# KiCad board PC110.kicad_pcb (continued)
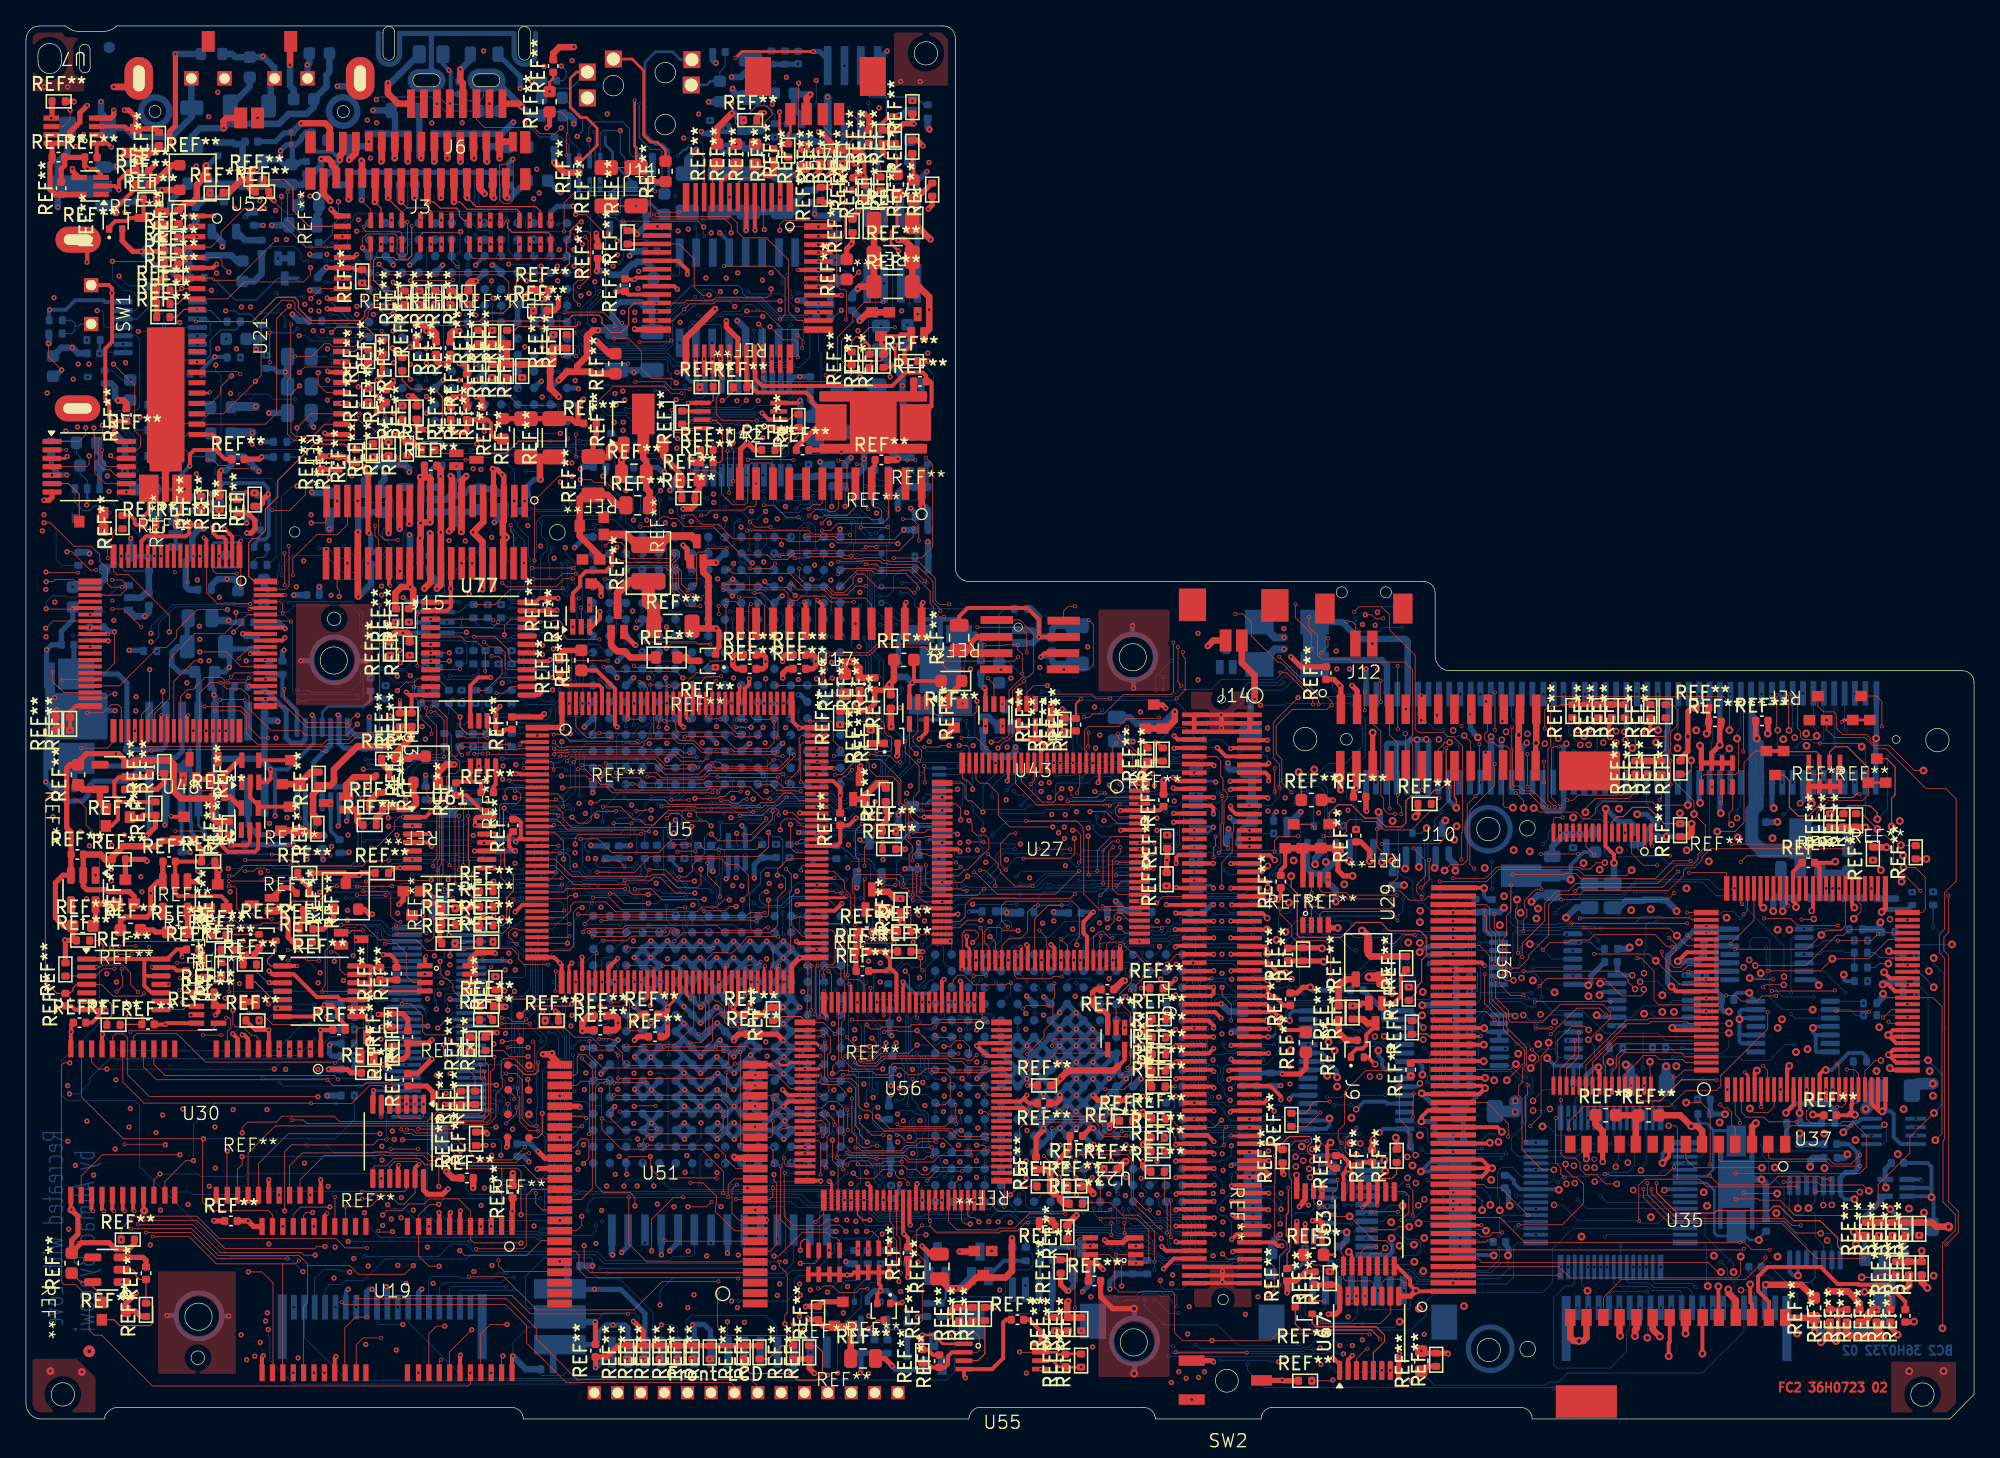
[diagram p0: board, top side]
## Routing (per net, layer and track width the routed paths; a pad name or vN(x,y) marks a point on that pad's centre or on a via; arc(x,y) is an arc through that point) (continued)
  FC1 w0.05: v2(15.42,30.92) 15.42,32.35 v1(15.34,32.43)
  IC4 w0.05: v1(23.24,80.06) 23.18,80.12 20.82,80.12 20.33,79.63 20.33,75.42 22.87,72.88 22.87,65.56 21.57,64.26 21.57,56.81 23.21,55.17 23.21,43.18 23.21,45 22.21,44 22.21,40.96 22.11,40.86 22.11,40.39 22.26,40.24 v1(22.26,39.27)
  BC1 w0.05: v11(46.79,34.1) 46.43,34.1 46.24,34.29 44.94,34.29 44.5,34.73 44.5,37.87 44.74,38.11 44.74,40.39 v11(44.03,41.1) ; v11(26.87,32.64) 25.64,32.64 v11(25.56,32.72) ; v11(49.48,28.98) 48.88,28.98 47.48,30.38 47.48,32.33 v11(46.81,33) ; v11(59.82,28) 59.37,28.45 49.88,28.45 v11(49.5,28.07) ; v11(26,80.02) 26,80.4 26.1,80.5 30.07,80.5 30.2,80.37 31.19,80.37 31.46,80.64 31.46,81.6 32.45,82.59 v11(34.03,82.59) 35.05,82.59 35.65,81.99 35.65,79.71 36.48,78.88 36.48,75.49 37.7,74.27 38.66,74.27 39.2,73.73 39.2,71.32 39.68,70.84 42.08,70.84 42.46,70.46 v11(42.46,69.33)
  BC2 w0.05: 23.21,32.93 23.21,37.7 22.26,38.65 v1(22.26,39.27) 22.7,39.27 22.99,39.56 22.99,40.15 23.45,40.61 34.08,40.61 34.74,39.95 35.5,39.95 36.16,40.61 41.45,40.61 41.53,40.69 41.53,41.1 41.85,41.42 42.72,41.42 42.85,41.29 43.84,41.29 v11(44.03,41.1) ; 23.21,32.93 15.84,32.93 v1(15.34,32.43) ; 23.21,32.93 23.21,32.74 23.23,32.72 v11(25.56,32.72) ; v11(49.5,28.07) 49.48,28.09 v11(49.48,28.98) ; v11(34.03,82.59) 34.06,82.56 U23.G9 ; v1(23.24,80.06) 25.96,80.06 v11(26,80.02) ; v11(46.81,33) 46.79,33.02 v11(46.79,34.1) ; 46.2,67.99 46.2,68.46 45.32,69.33 v11(42.46,69.33) ; v11(26.87,32.64) 26.87,33.54 27.11,33.78 29.38,33.78
  BC2 w0.2: v11(59.82,28) 59.82,28.21 U1.P9
RAM_IOU8: length 156.4
  FC2 w0.05: U30.35 15.48,17.27 15.48,20.62 v1(15.51,20.65)
  IC1 w0.05: v1(33.44,20.64) 31.58,20.64 31.15,20.21 28.87,20.21 28.13,19.47 27.05,19.47 26.28,20.24 25.87,20.24 25.36,20.75 15.93,20.75 15.83,20.65 v1(15.51,20.65)
  IC2 w0.05: v1(31.61,31.58) 31.61,30.99 32.24,30.36 32.24,29.85 32.02,29.63 31.04,29.63 30.16,30.51 30.16,37.06 31.62,38.52 31.62,40.24 30.66,41.2 30.66,48.37 31.4,49.11 31.4,53.13 31.08,53.45 31.08,60.46 ; v1(34.44,73.23) 34.44,72.39 35.4,71.43 35.4,67.18 33.36,65.14 32.89,65.14 32.26,64.51 32.26,61.64 31.08,60.46 ; 31.08,60.46 31.07,60.46
  IC4 w0.05: v1(33.44,20.64) 33.4,20.68 33.4,29.79 v1(31.61,31.58)
  BC1 w0.05: v1(34.44,73.23) 34.44,74.16 34.63,74.35 v11(35.43,74.35) 35.43,75.12 v11(34.61,75.94) ; v11(44.29,71.15) 44.31,71.13 44.31,67.65 45.34,66.62 v11(45.95,66.62) ; v11(58.69,18.89) 58.69,15.29 57.76,14.36 40.5,14.36 39.95,14.91 v11(39.95,16.03)
  BC2 w0.05: U23.G13 34.06,76.19 34.31,75.94 v11(34.61,75.94) ; v11(39.95,16.03) 39.95,17.61 39.51,18.05 36.56,18.05 36.33,18.28 36.33,18.87 35.71,19.49 34.14,19.49 33.44,20.19 v1(33.44,20.64) ; 34.33,33.28 34.32,33.29 32.61,33.29 32.46,33.14 31.67,33.14 31.46,32.93 31.46,32.28 31.61,32.13 v1(31.61,31.58) ; U1.R10 61.12,27.33 60.88,27.09 60.88,23.27 60.49,22.88 60.06,22.88 59.61,22.43 59.61,19.25 59.25,18.89 v11(58.69,18.89) ; 46.2,66.72 46.1,66.62 v11(45.95,66.62) ; v11(35.43,74.35) 41.19,74.35 41.69,73.85 41.69,72.19 42.19,71.69 43.75,71.69 v11(44.29,71.15)
RAM_IOU9: length 127.3
  FC2 w0.05: v1(16.65,20.22) 16.65,19.61 16.31,19.27 U30.36
  BC1 w0.05: 38.77,33.59 38.94,33.59 39.12,33.77 39.12,43.04 39.24,43.16 39.24,52.72 38.9,53.06 38.9,56.33 38.37,56.86 38.37,58.46 38,58.83 37.13,58.83 37,58.96 37,59.59 37.57,60.16 37.57,61.91 37.89,62.23 37.89,62.98 38.12,63.21 v11(39.09,63.21) ; 38.77,33.59 v11(37.24,33.59) ; 38.77,33.59 v11(38.77,30.44) ; v11(44.69,29.19) 45.35,28.53 45.78,28.53 45.89,28.42 46.8,28.42 47.02,28.64 50.15,28.64 51.29,29.78 59.32,29.78 60.26,28.84 v11(60.26,27.9) ; v11(37.07,70.52) 37.06,70.53 37.06,70.55 34.7,70.55 33.2,72.05 33.2,75.25 33.81,75.86 33.81,76.3 33.4,76.71 v11(33.4,78.12) ; v11(26.84,20.19) 26.84,20.67 26.19,21.32 26.19,26.54 29.75,30.1 29.75,32.5 30.29,33.04 v11(31.06,33.04) ; v11(46.19,64.79) 45.62,64.22 44.14,64.22 43.76,64.6 40.65,64.6 40.53,64.48 39.36,64.48 39.29,64.41 v11(38.83,64.41) ; v11(39.67,29.1) 40.11,28.66 42.1,28.66 42.1,28.65 v11(42.08,28.63)
  BC2 w0.05: v11(31.06,33.04) 31.06,33.54 31.51,33.99 32.37,33.99 32.57,33.79 35.87,33.79 36.07,33.59 v11(37.24,33.59) ; v11(42.08,28.63) 42.64,29.19 v11(44.69,29.19) ; U1.P10 60.21,27.85 v11(60.26,27.9) ; v11(39.09,63.21) 39.09,63.45 38.83,63.71 v11(38.83,64.41) 38.84,64.42 38.84,66.28 38.71,66.41 38.71,67.94 37.88,68.77 37.88,68.97 37.17,69.68 37.17,70.42 v11(37.07,70.52) ; v11(26.84,20.19) 26.81,20.22 v1(16.65,20.22) ; 46.2,65.45 46.2,64.8 v11(46.19,64.79) ; v11(33.4,78.12) 33.46,78.18 U23.G12 ; v11(39.67,29.1) 39.67,29.41 38.77,30.31 v11(38.77,30.44)
RAM_IOU10: length 130.3
  FC2 w0.05: v4(36.08,27.9) 36.08,27.04 35.8,26.76 35.8,23.15 35.54,22.89 33.01,22.89 32.7,22.58 19.2,22.58 17.11,20.49 17.11,17.27 17.08,17.24
  IC1 w0.05: v4(36.08,27.9) 36.6,27.38 39,27.38 40.16,26.22 44.75,26.22 45.18,26.65 v1(46.84,26.65)
  IC2 w0.05: v1(36.92,34.61) 36.99,34.68 36.99,35.05 36.77,35.27 36.77,37.13 35.63,38.27 35.63,39.24 36.6,40.21 36.6,45.15 36.46,45.29 36.46,48.09 37.35,48.98 37.35,49.18 37.34,49.2 37.34,51.12 38.06,51.84 38.06,73.96 35.92,76.1 v1(35.31,76.1)
  IC4 w0.05: v4(36.08,27.9) 35.3,28.68 35.3,34.22 35.69,34.61 v1(36.92,34.61)
  BC1 w0.05: v11(44.86,68.11) 44.86,68.82 44.63,69.05 44.63,71.45 43.81,72.27 v11(43.81,74.15) ; v1(46.84,26.65) 47.5,25.99 v11(61.32,25.99) ; v11(34.27,74.69) 34.27,76.2 34.57,76.5 34.91,76.5 v1(35.31,76.1)
  BC2 w0.05: v1(35.31,76.1) 35.33,76.12 ; v11(44.86,68.11) 44.86,68.06 44.93,67.99 ; v11(34.27,74.69) 41.85,74.69 42.39,74.15 v11(43.81,74.15) ; v1(36.92,34.61) 36.18,34.61 35.86,34.29 J2.53
  BC2 w0.4: 35.33,76.12 U23.H13
RAM_IOU11: length 136.9
  FC2 w0.05: v1(27.27,21.98) 20.2,21.98 17.91,19.69 U30.38
  IC2 w0.05: v1(27.27,21.98) 27.27,22.55 27.85,23.13 33,23.13 34.51,24.64 34.51,27.18 36.04,28.71 v1(36.04,28.9)
  BC1 w0.05: 28.39,59.02 28.32,59.09 28.32,59.54 28.58,59.8 28.58,64.1 28.47,64.21 28.47,64.57 28.95,65.05 31.61,65.05 31.78,64.88 32.77,64.88 v11(33.18,65.29) 33.21,65.32 43.53,65.32 43.63,65.42 v11(43.63,66.09) ; 28.39,59.02 28.39,57.7 28.25,57.56 28.25,55.18 28.66,54.77 28.66,53.47 27.94,52.75 27.94,52.37 28.24,52.07 28.45,52.07 28.88,51.64 28.88,49.59 28.82,49.53 28.82,46.59 29.26,46.15 v11(29.26,40.9) ; 28.39,59.02 28.39,58.86 ; v11(60.24,26.64) 59.62,27.26 46.84,27.26 46.71,27.13 45.89,27.13 45.76,27.26 42.8,27.26 42.61,27.07 35.89,27.07 34.3,28.66 34.3,28.91 ; v11(34.87,66.78) 34.87,67.35 35.19,67.67 35.19,69.12 v11(35.82,69.75) ; 34.3,28.91 34.3,34.78 v11(34.29,34.79) 34.29,36.17 35.01,36.89 v11(35.01,40.45) ; 34.3,28.91 34.31,28.9 v1(36.04,28.9) ; v11(34.65,81.94) 34.28,81.94 34.04,81.7 34.04,75.37 33.39,74.72 33.39,72.35 34.9,70.84 v11(35.82,70.84)
  BC2 w0.05: v11(29.26,40.9) 34.56,40.9 v11(35.01,40.45) ; v11(35.82,70.84) v11(35.82,69.75) ; 43.66,66.72 43.66,66.12 v11(43.63,66.09) ; v11(60.24,26.64) 60.21,26.61 U1.P11 ; v11(34.87,66.78) 34.45,66.78 33.18,65.51 v11(33.18,65.29) ; v11(34.65,81.94) 34.7,81.99 U23.H9
RAM_IOU12: length 137.4
  FC1 w0.05: v1(20,26.94) 20,17.74 v2(19.51,17.24)
  IC3 w0.05: 37.32,27.36 30.67,27.36 30.58,27.44 28.87,27.44 28.43,27.88 26.91,27.88 26.48,27.45 22.08,27.45 21.57,26.94 v1(20,26.94) ; 37.32,27.36 37.32,29.32 v1(36.93,29.71) ; 37.32,27.36 62.58,27.36 63.45,26.48 v1(63.45,25.36)
  BC1 w0.05: 36.96,52.13 36.96,55.54 36.21,56.29 36.21,56.95 36.63,57.37 36.63,57.61 36.77,57.75 36.77,58.38 36.6,58.55 35.23,58.55 34.98,58.8 34.98,59.68 37.54,62.24 v11(37.54,63.26) ; 36.96,52.13 37.23,51.86 37.23,49.48 38.28,48.43 38.28,45.64 36.56,43.92 36.56,41.08 35.35,39.87 35.35,38.16 36.17,37.34 v11(36.55,37.34) ; 36.96,52.13 37.09,52 ; v11(34.68,77.73) 35.76,76.65 35.76,74.72 37.43,73.05 37.43,68.6 v11(37.48,68.55) ; v11(47.45,63.53) 46.94,64.04 46.94,64.96 46.4,65.5 44.94,65.5 44.12,66.32 44.12,67.98 43.91,68.19 v11(43.91,68.56) ; v11(38.39,66.51) 40.23,66.51 40.48,66.76 41.03,66.76 41.29,66.5 42.68,66.5 42.68,68.54 v11(42.69,68.55)
  BC2 w0.05: v11(42.69,68.55) 43.9,68.55 v11(43.91,68.56) ; 36.55,36.39 35.99,36.39 35.76,36.16 35.76,35.95 35.6,35.79 J2.56 ; 36.55,36.39 37.58,36.39 38.84,35.13 38.84,33.13 38.28,32.57 37.15,32.57 36.45,31.87 36.45,31.12 36.93,30.64 v1(36.93,29.71) ; 36.55,36.39 v11(36.55,37.34) ; v11(37.54,63.26) 38.39,64.11 v11(38.39,66.51) 38.39,67.64 v11(37.48,68.55) ; 47.47,64.18 47.47,63.55 v11(47.45,63.53) ; U1.T12 63.32,25.36 v1(63.45,25.36) ; v11(34.68,77.73) 34.68,77.99 34.87,78.18 U23.H12
RAM_IOU13: length 96.8
  FC2 w0.05: U30.41 20.31,19.52 21.29,20.5 26.78,20.5 26.86,20.58 27.89,20.58 27.98,20.49 30.96,20.49 31.25,20.2 v2(31.87,20.2)
  FC1 w0.05: v2(31.87,20.2) 32.3,20.63 32.3,23.53 31.83,24 31.83,25.78 v1(32.67,26.62)
  IC2 w0.05: v1(32.67,26.62) 33.18,27.13 33.18,35.2 32.69,35.69 v1(32.66,35.69)
  IC3 w0.05: v1(32.67,26.62) 40.49,26.62 41.06,26.05 61.62,26.05 62.23,25.44 v1(62.23,25.36)
  BC1 w0.05: v1(32.66,35.69) 33.21,36.24 33.21,37.67 32.92,37.96 32.92,40.27 33.29,40.64 33.29,41.79 33.47,41.97 33.47,50.05 33.61,50.19 33.61,50.73 33.46,50.88 33.46,53.19 34.09,53.82 34.09,57.75 34.4,58.06 34.4,59.66 v11(37.24,62.5) ; v11(38.54,62.52) 39.73,62.52 v11(40.35,63.14)
  BC2 w0.05: v11(38.54,62.52) 38.52,62.5 v11(37.24,62.5) ; v1(62.23,25.36) 62.22,25.36 61.65,24.79 U1.R12
  BC2 w0.2: v1(32.66,35.69) 32.66,36.09 32.86,36.29 J2.57
RAM_IOU14: length 126.3
  FC2 w0.05: U30.42 21.11,18.43 22.97,20.29 27.08,20.29 27.14,20.35 27.63,20.35 27.68,20.3 30.62,20.3 30.99,19.93 31.47,19.93 31.8,19.6 v1(31.8,17.91)
  BC1 w0.05: 34.06,28.05 34,28.05 34,36.36 34.43,36.79 v11(34.43,38.16) ; 34.06,28.05 34.61,28.05 35.77,26.89 42.76,26.89 42.93,27.06 45.63,27.06 46.91,25.78 59.85,25.78 60.28,25.35 ; 34.06,28.05 33.84,28.05 33.47,27.68 33.47,23.84 33.08,23.45 33.08,22.12 32.81,21.85 32.81,21.38 31.8,20.37 v1(31.8,17.91) ; v11(41.67,63.92) 39.98,63.92 39.65,63.59 37.39,63.59 36.89,63.09 36.89,62.53 34.56,60.2 34.25,60.2 34.16,60.11 34.16,58.19 33.87,57.9 33.87,55.85 33.59,55.57 33.43,55.57 32.57,54.71 32.57,50.84 32.43,50.7 32.43,50.18 32.56,50.05 32.56,42.28 33.08,41.76 33.08,40.7 32.71,40.33 32.71,37.88 33.02,37.57 33.02,37.12 32.83,36.93 v11(32.83,36.66) ; v11(43.14,75.07) 43.14,72.6 43.2,72.54 43.2,66.63 v11(42.64,66.07) 41.73,66.07 v11(41.72,66.06)
  BC2 w0.05: v11(42.64,66.07) 42.64,65.72 42.91,65.45 43.66,65.45 ; U1.P12 60.21,25.28 v11(60.27,25.34) ; v11(41.67,63.92) 41.68,63.93 41.68,66.02 v11(41.72,66.06) ; v11(34.43,38.16) 35.68,38.16 36.12,37.72 36.12,37.1 35.8,36.78 34.33,36.78 ; U23.J13 36.6,75.85 37.38,75.07 v11(43.14,75.07)
  BC2 w0.2: v11(32.83,36.66) 32.96,36.79 J2.58
RAM_IOU15: length 150.7
  FC1 w0.05: v2(21.91,17.24) 22.59,17.92 v1(23.28,17.92)
  IC1 w0.05: v1(35.57,47.56) 35.57,47.71 34.98,48.3 32.39,48.3 31.47,49.22 31.47,55.2 35.73,59.46 38.51,59.46 39.17,60.12 39.96,60.12 40.62,59.46 v1(40.62,59.35) ; v1(23.28,17.92) 23.94,17.26 28.12,17.26 28.71,16.67 31.16,16.67 31.59,17.1 32.55,17.1 32.65,17 47.84,17 48.28,16.56 v1(48.63,16.56)
  IC2 w0.05: v1(35.57,47.56) 35,47.56 34.2,46.76 34.2,46.22 34.18,46.2 34.18,45.27 34.11,45.2 34.11,44.67 34.18,44.6 34.18,41.37 35.19,40.35 35.19,37.74 34.74,37.29 v1(32.59,37.29) 32.59,36.69 33.4,35.88 33.4,26.36 32.94,25.9 31.26,25.9 29.66,24.3 27.68,24.3 26.98,23.6 26.98,21.64 27,21.64 27.16,21.48 27.78,21.48 28.07,21.19 28.07,20.59 v1(27.43,19.95)
  IC4 w0.05: v1(27.43,19.95) 24.08,19.95 23.28,19.15 v1(23.28,17.92)
  BC1 w0.05: v11(39.97,62.34) 40.4,62.77 41.27,62.77 42.31,61.73 44.87,61.73 45.38,62.24 45.38,62.74 v11(46.17,63.53) ; v11(63.18,18.94) 62.95,19.17 62.95,22.93 v11(63.45,23.43) ; v11(40.39,75.36) 40.39,71.9 40.96,71.33 v11(41.41,71.33) ; v1(48.63,16.56) 49.1,16.56 49.34,16.8 53.61,16.8 54.41,17.6 v11(54.41,17.98) ; v11(39.7,69.07) 39.7,69.68 39.99,69.97 41.14,69.97 v11(41.44,70.27)
  BC2 w0.05: v11(63.18,18.94) 62.22,17.98 v11(54.41,17.98) ; U1.T13 62.8,23.47 63.41,23.47 v11(63.45,23.43) ; v11(39.7,69.07) 39.7,68.05 40.14,67.61 40.14,66.94 39.65,66.45 39.65,62.66 v11(39.97,62.34) 40.52,61.79 40.72,61.79 41.38,61.13 41.38,60.11 v1(40.62,59.35) ; v11(41.44,70.27) 41.44,71.3 v11(41.41,71.33) ; v11(40.39,75.36) 38.13,75.36 37.27,76.22 37.27,77.84 37.28,77.85 37.28,77.89 36.99,78.18 U23.J12 ; 46.2,64.18 46.2,63.56 v11(46.17,63.53) ; v1(32.59,37.29) 32.6,37.28
  BC2 w0.3: v1(32.59,37.29) J2.59
RAM_LCASL#: length 88.3
  FC2 w0.05: v2(27.36,6.24) 25.97,6.24 25.44,5.71 U19.32
  FC1 w0.05: v1(27.48,14.91) 27.52,14.87 27.52,10.64 27.36,10.48 v2(27.36,6.24)
  IC4 w0.05: v1(27.48,14.91) 27.42,14.85 27.42,12.26 28.44,11.24 31.98,11.24 32.56,11.82 32.56,13.77 33.91,15.12 33.91,16.63 33.33,17.21 33.33,19.46 32.61,20.18 32.61,21.2 32.93,21.52 32.93,22.82 31.72,24.04 31.72,25.52 32.06,25.86 32.06,27.73 30.3,29.49 30.3,32.96 31.7,34.36 v1(32.47,34.36)
  BC1 w0.05: v11(33.3,31.75) 33.3,33.53 v1(32.47,34.36) 31.26,34.36 30.95,34.67 30.95,36.41 31.15,36.61 31.15,40.88 30.76,41.27 30.76,41.92 32.38,43.54 32.38,49.91 32.24,50.05 32.24,50.75 32.36,50.87 32.36,55.69 33.51,56.84 33.51,58.23 33.77,58.49 33.77,59.52 32.43,60.86 v11(32.43,61.39) 35.22,61.39 v11(36.59,62.76)
  BC2 w0.05: J2.48 34.25,31.75 v11(33.3,31.75) 34.3,31.75 34.33,31.78
RAM_LCASU#: length 65.3
  FC2 w0.05: v1(12.9,19.91) 12.31,19.91 10.71,18.31 U30.32
  BC1 w0.05: v11(28.83,32.26) 28.83,33.47 30.36,35 30.36,36.65 29.4,37.61 29.4,39.6 30.35,40.55 30.35,44.04 30.91,44.6 31.76,44.6 32.18,45.02 32.18,46.58 32.04,46.72 32.04,57.54 31.25,58.33 31.25,61.2 31.83,61.78 31.83,62.64 v11(31.52,62.95) ; v11(23.84,24.31) 23.84,31.36 24.68,32.2 v11(27.06,32.2)
  BC2 w0.05: v11(27.06,32.2) 27.55,32.2 27.61,32.26 v11(28.83,32.26) 29.26,32.26 J2.12 ; v1(12.9,19.91) 12.9,22.67 14.54,24.31 v11(23.84,24.31)
RAM_RAS2: length 170.1
  FC2 w0.05: v2(30.84,54.8) 30.84,54.2 31.63,53.41 v2(31.63,50.67) ; v2(31.5,47.31) 31.65,47.16 31.65,43.26 31.37,42.98 v2(31.37,42.59)
  FC2 w0.08: REF**#214.1 34.88,38.1 REF**#281.2
  FC2 w0.3: REF**#214.1 34.95,38.56 35.13,38.74 v2(35.5,38.74)
  FC1 w0.05: v2(31.37,42.59) 31.77,42.59 32.33,43.15 34.84,43.15 35.41,42.58 35.41,42.16 35.5,42.07 v2(35.5,38.74) ; v2(30.84,54.8) 30.84,56.99 30.09,57.74 28.26,57.74 26.65,59.35 26.65,63 25.79,63.86 23.9,63.86 v1(23.51,63.47) ; v2(31.63,50.67) 31.63,48.49 31.5,48.36 v2(31.5,47.31)
  IC2 w0.05: v1(23.51,63.47) 22.17,63.47 19.4,66.24 19.4,82.06 18.64,82.82 5.74,82.82 4.85,81.93 v1(4.85,81.29)
  IC4 w0.05: 4.14,75.39 5.53,75.39 6.24,76.1 6.24,80.58 5.53,81.29 v1(4.85,81.29) ; 4.14,75.39 3.67,75.39 2.81,74.53 2.81,73.7 3.79,72.72 3.79,65.34 3.33,64.88 3.33,37.95 4.02,37.26 4.02,25.17 3.9,25.05 v1(3.35,25.05) ; 4.14,75.39 4.12,75.39
  BC1 w0.05: v11(27.82,32.78) 27.82,32.42 27.26,31.86 27.26,31.59 27.69,31.16 28.09,31.16 28.15,31.1 28.15,30.22 27.64,29.71 27.17,29.71 26.37,30.51 24.96,30.51 24.51,30.06 v11(24.51,29.48)
  BC2 w0.05: v11(24.51,29.48) 23.49,29.48 21.76,27.75 6.41,27.75 4.92,26.26 4.92,25.91 4.06,25.05 v1(3.35,25.05)
  BC2 w0.3: J2.11 27.83,32.79 v11(27.82,32.78)
RAM_RAS3: length 11.2
  FC2 w0.4: v2(33.05,39.35) 34.04,39.35 34.16,39.47 REF**#330.1
  FC1 w0.05: v2(33.05,39.35) 33.41,38.99 33.41,34.91 33,34.5 33,34.03 32.66,33.69 v1(32.66,32.36)
  BC2 w0.2: v1(32.66,32.36) 32.74,32.28
  BC2 w0.3: J2.49 32.73,32.29 v1(32.66,32.36)
RAM_RAS#: length 51.5
  FC2 w0.05: U30.15 9.06,27.13 10.04,26.14 v2(23.22,26.14) 23.68,25.68 25.94,25.68 26.15,25.89 v2(28.03,25.89) ; REF**#181.1 33.95,36.78 33.82,36.65 v2(33.05,36.65) ; v2(30.84,37.45) 28.61,37.45 v2(28.57,37.41) ; v2(23.8,17.11) 23.8,14.85 U19.15
  FC1 w0.05: v2(23.8,17.11) 23.8,24.97 23.22,25.55 v2(23.22,26.14) ; v2(28.03,25.89) 28.03,28.05 27.79,28.29 27.79,29.05 28.56,29.82 28.56,32.16 28.74,32.34 28.74,36.83 28.57,37 v2(28.57,37.41) ; v2(30.84,37.45) 31.64,36.65 v2(33.05,36.65)
RAM_UCASL#: length 73.1
  FC2 w0.05: REF**#20.1 32.35,30.76 v1(31.72,30.13) ; v2(26.29,7.85) 25.39,7.85 24.56,7.02 24.56,3.59 U19.31
  FC1 w0.05: v2(26.29,7.85) 26.29,10.46 26.86,11.03 26.86,13.7 26.79,13.77 26.79,16.43 26.59,16.63 26.59,20.96 26.5,21.05 26.5,23.8 27.48,24.78 28.11,24.78 29.51,26.18 30.44,26.18 31.72,27.46 v1(31.72,30.13)
  IC2 w0.05: v1(33.94,60.62) 32.65,60.62 31.32,59.29 31.32,55.59 31.85,55.06 31.85,38.24 30.37,36.76 30.37,31.5 30.5,31.37 30.5,31.35 v1(31.72,30.13)
  BC2 w0.05: 34.33,31.28 34.32,31.29 32.88,31.29 v1(31.72,30.13)
  BC2 w0.08: v1(33.94,60.62) 33.91,60.59 REF**#795.4
RAM_UCASU#: length 71.1
  FC2 w0.05: v1(10.32,18.88) 9.86,18.42 U30.31
  BC1 w0.05: v11(30.33,18.84) 30.33,30.97 v11(30.81,31.45) ; 30.03,44.34 30.03,40.65 29.23,39.85 29.23,37.34 30.06,36.51 30.06,35.13 28.16,33.23 28.16,32.04 v11(27.82,31.7) ; 30.03,44.34 29.95,44.42 ; 30.03,44.34 29.91,44.46 29.91,45.94 29.91,45.87 29.91,52 ; 29.91,52 29.97,52.06 ; 29.91,52 30.01,52.1 30.01,53.25 29.87,53.39 29.87,54.3 30.15,54.58 30.15,56.38 30.45,56.68 30.45,58.37 31.02,58.94 31.02,61.54 v11(31.51,62.03)
  BC2 w0.05: v1(10.32,18.88) 13.28,18.88 13.46,18.7 16.83,18.7 17.02,18.89 30.28,18.89 v11(30.33,18.84)
  BC2 w0.2: v11(30.81,31.45) 30.47,31.79 J2.13 27.91,31.79 v11(27.82,31.7)
RAM_WE#: length 53.5
  FC2 w0.05: v2(27.16,17) 26.53,16.37 v2(24.61,16.37) 24.61,14.86 U19.14 ; U30.14 9.86,27.34 10.71,26.48 23.73,26.48 v2(24.05,26.16)
  FC2 w0.08: REF**#148.1 33.49,28.4 v2(32.65,29.24)
  FC1 w0.05: v2(24.61,16.37) 24.61,25.19 24.05,25.75 v2(24.05,26.16) ; v1(32.49,31.5) 32.49,31.01 32.65,30.85 v2(32.65,29.24) 32.65,28.01 29.97,25.33 29.33,25.33 28.68,24.68 28.68,24.04 28.44,23.8 27.4,23.8 26.9,23.3 26.9,21.46 26.97,21.39 26.97,18.18 27.16,17.99 v2(27.16,17)
  BC2 w0.05: v1(32.49,31.5) 32.49,31.94 32.27,32.16 32.27,32.57 32.5,32.8 34.31,32.8 34.33,32.78
REFRESH#: length 71.1
  IC1 w0.05: v1(45.58,25.4) 45.58,25.45 46.21,26.08 48.48,26.08 49.62,24.94 62.62,24.94 62.85,25.17 62.85,25.74 63.39,26.28 66.73,26.28 66.96,26.05 67.68,26.05 68.1,25.63 68.78,25.63 v1(69.08,25.93)
  IC2 w0.05: v1(48.01,52.05) 47.7,52.05 47.68,52.07 47.6,51.99 47.6,19.22 46.79,18.41 45.11,18.41 45.01,18.51 45.01,24.83 v1(45.58,25.4)
  BC2 w0.05: v1(48.01,52.05) 48.01,51.91 48.16,51.76 48.16,51.6 48.31,51.45 48.75,51.45 ; U25.H1 69.38,25.63 v1(69.08,25.93)
RESETDRV: length 239
  FC2 w0.05: U27.55 74.17,36.38 73.81,36.74 73.81,37.55 74.13,37.87 75.04,37.87 75.28,37.63 v1(76.42,37.63) ; v1(31.22,41.54) 31.17,41.49 26.6,41.49 26.53,41.42 v2(26.18,41.42)
  FC1 w0.05: v2(26.18,41.42) 25.26,41.42 24,42.68 24,44.57 23.65,44.92 v2(23.08,44.92)
  IC1 w0.05: v1(42.29,43.63) 42.39,43.73 47.59,43.73 48.29,44.43 62.43,44.43 63.21,45.21 69.74,45.21 70.78,44.17 70.78,42.69 72.17,41.3 85.96,41.3 86.23,41.57 87.37,41.57 87.45,41.65 96.48,41.65 97.28,40.85 104.68,40.85 105.47,41.64 107.49,41.64 108.5,40.63 111.8,40.63 112.06,40.37 113.64,40.37 113.72,40.29 v3(113.85,40.29) ; v3(107.36,36.69) 106.86,37.19 100.8,37.19 99.86,38.13 96.52,38.13 95.61,37.22 93.51,37.22 92.98,36.69 89.95,36.69 89.72,36.92 81.61,36.92 81.6,36.93 81.56,36.93 81.33,37.16 76.93,37.16 76.46,37.63 v1(76.42,37.63)
  IC2 w0.05: v3(107.36,36.69) 110.23,36.69 113.83,40.29 v3(113.85,40.29) 114.36,39.78 114.36,37.22 119,32.58 v3(120.35,32.58)
  IC3 w0.05: v1(31.22,41.54) 32.12,42.44 39.8,42.44 40.99,43.63 v1(42.29,43.63)
  IC4 w0.05: v1(45.98,85.29) 45.98,85.43 46.93,86.38 47.64,86.38 48,86.74 48,89.16 46.75,90.41 44.11,90.41 43.67,89.97 43.67,88.89 43.37,88.59 43.37,87.85 42.95,87.43 42.48,87.43 42.13,87.08 42.13,81.53 42.84,80.82 42.84,79.77 42.97,79.64 42.97,79.18 42.82,79.03 42.65,79.03 42.42,78.8 42.42,75.78 43.12,75.08 43.12,72.09 42.87,71.84 42.87,66.39 42.14,65.66 42.14,60.48 42.92,59.7 42.92,55.83 42.31,55.22 42.31,52.47 42.15,52.31 42.15,50.49 41.69,50.03 41.69,48.01 41.32,47.64 41.32,47.59 41.15,47.42 41.15,44.77 v1(42.29,43.63)
  BC1 w0.05: v1(45.98,85.29) 45.22,85.29 44.21,84.28 43.89,84.28 43.81,84.2 36.5,84.2 36.23,83.93 36.23,81.57 36.83,80.97 37.4,80.97 v11(37.65,80.72)
  BC2 w0.05: v1(76.42,37.63) 76.13,37.63 75.92,37.84 75.92,38.17 75.69,38.4 75.21,38.4 74.78,37.97 74.78,37.09 74.29,36.6 73.36,36.6 72.57,35.81 72.57,35.78 ; U41.11 121.51,32.26 121.42,32.17 120.76,32.17 v3(120.35,32.58) ; v11(37.65,80.72) U23.K10
RIOUT#: length 40.7
  FC2 w0.3: REF**#320.6 v1(98.53,15.03)
  BC1 w0.05: v11(98.08,5.74) 98.19,5.85 98.19,6.27 98.45,6.53 98.85,6.53 99.06,6.74 99.06,14.03 98.53,14.56 v1(98.53,15.03) ; v11(78.84,18.99) 78.59,18.74 78.59,17.02 81.05,14.56 82.65,14.56 82.77,14.44 84.88,14.44 85.15,14.17 85.15,13.16 86.15,12.16 86.15,9.25 v11(86.17,9.23)
  BC2 w0.05: 78.92,19.27 78.84,19.19 v11(78.84,18.99) 78.84,19.22 78.92,19.3 ; v11(98.08,5.74) 97.9,5.74 97.8,5.64 93.41,5.64 91.8,7.25 87.65,7.25 86.17,8.73 v11(86.17,9.23)
SA0: length 404.5
  FC2 w0.05: v2(143.05,30.93) 143.06,30.93 143.69,31.56 144.9,31.56 ; 31.18,56.44 29.93,56.44 v2(29.91,56.42) ; v2(116.56,33.35) 117.15,33.94 121.57,33.94 122.91,32.6 124.4,32.6 124.61,32.81 v5(124.61,33.1) ; v2(70.01,30.17) 70.4,30.56 v2(74.09,30.56) ; v1(73.71,46.77) 72.86,47.62 72.86,47.64 72.55,47.64 72.33,47.86 72.33,48.79 72.12,49 U27.26 ; v2(49.06,34.93) 50.16,34.93 50.36,34.73 U5.55 ; v2(23.15,51.45) 22.77,51.45 22.62,51.6 10.13,51.6 10.02,51.49 v2(9.66,51.49)
  FC1 w0.05: v2(109.93,33.93) 110.53,33.93 111.11,33.35 v2(116.56,33.35) ; v2(49.06,34.93) 49.06,35.35 48.84,35.57 48.84,39.74 49.64,40.54 49.64,44.9 v1(49.89,45.15) ; v2(29.91,56.42) 29.61,56.42 29.38,56.65 24.81,56.65 23.17,55.01 23.17,51.47 v2(23.15,51.45) ; v2(70.01,30.17) 70.01,30.64 70.05,30.68 v2(70.05,32.11) ; v3(142.54,26.82) 142.27,26.82 142.22,26.87 142.22,30.41 142.74,30.93 v2(143.05,30.93) ; v2(9.66,51.49) 9.66,51.2 9.09,50.63 7.75,50.63 7.5,50.38 7.5,50.34 6.24,49.08 6.24,43.33 6.57,43 v1(6.57,42.36) ; v1(77.02,30.03) 74.62,30.03 v2(74.09,30.56)
  IC1 w0.05: v3(142.54,26.82) 142.54,26.95 140.16,29.33 136.18,29.33 135.35,28.5 133.42,28.5 133.28,28.36 132.98,28.36 132.9,28.44 118.49,28.44 118.35,28.58 116.72,28.58 116.66,28.52 115.55,28.52 115.07,29 113.73,29 113.14,28.41 110.18,28.41 109.52,27.75 105.72,27.75 105.04,28.43 105.04,30 102.92,32.12 98.62,32.12 97.67,33.07 93.94,33.07 93.52,32.65 89.42,32.65 87.48,30.71 77.7,30.71 v1(77.02,30.03)
  IC2 w0.05: v1(73.71,46.77) 74.73,45.75 74.73,41.63 76.03,40.33 76.03,30.49 76.49,30.03 v1(77.02,30.03)
  IC3 w0.05: v1(73.71,46.77) 74.05,46.77 74.27,46.55 74.27,45.3 73.93,44.96 73.03,44.96 72.19,45.8 71.72,45.8 71.7,45.82 71.65,45.82 71.43,46.04 65.54,46.04 65.45,45.95 62.95,45.95 62.71,46.18 61.4,46.18 60.01,47.57 56.95,47.57 56.61,47.23 50.89,47.23 50.53,46.87 50.53,45.79 v1(49.89,45.15) 49.32,45.72 47.92,45.72 46.87,46.77 44.91,46.77 44.75,46.93 43.7,46.93 43.5,46.73 43.5,46.37 43.32,46.19 42.91,46.19 41.73,47.37 41.73,50.3 40.79,51.24 17.95,51.24 12.92,56.27 12,56.27 11.03,57.24 9.13,57.24 7.34,59.03 7.34,61.89 7.21,62.02 6.08,62.02 5.33,61.27 5.33,42.98 5.89,42.42 6.51,42.42 v1(6.57,42.36)
  BC1 w0.05: v11(112.94,40.86) 114.04,40.86 v11(114.34,40.56) ; v11(100.65,56.72) 100.64,56.73 v11(96.85,56.73) ; v11(121.3,37.8) 121.3,40 121.89,40.59 v11(123.92,40.59) ; v1(49.89,45.15) 49.89,45.62 49.59,45.92 49.59,48.07 v11(49.76,48.24) ; v11(102.62,49.09) 103.03,49.09 103.58,48.54 107.65,48.54 108.73,47.46 108.73,45.65 109.15,45.23 110.17,45.23 110.53,44.87 110.53,43.92 111.21,43.24 112.62,43.24 v11(112.9,42.96) ; v11(126.29,40.57) 126.33,40.53 126.33,37.61 125.09,36.37 125.09,33.58 v5(124.61,33.1) ; v11(75.16,23.68) 75.5,23.68 76.64,24.82 76.64,29.09 77.02,29.47 v1(77.02,30.03)
  BC2 w0.05: v11(49.76,48.24) 49.42,48.58 49.42,49.51 48.75,50.18 ; v11(114.34,40.56) 114.34,38.24 114.7,37.88 118.23,37.88 118.3,37.95 120.79,37.95 120.94,37.8 v11(121.3,37.8) ; U6.21 89.14,50.15 88.96,49.97 88.07,49.97 87.83,49.73 87.45,49.73 87.06,49.34 86.6,49.34 86.4,49.14 86.4,48.83 86.14,48.57 85.04,48.57 84.85,48.76 84.24,48.76 83.48,49.52 82.3,49.52 81.79,49.01 79.44,49.01 79.28,48.85 79.28,47.63 78.96,47.31 77.28,47.31 76.95,46.98 73.92,46.98 v1(73.71,46.77) 73.71,48.77 74.81,49.87 76.77,49.87 77.75,50.85 78.22,50.85 79.04,51.67 79.04,53.42 79.37,53.75 79.37,54.88 79.88,55.39 88.48,55.39 89.45,54.42 91.3,54.42 91.87,53.85 92.3,53.85 95,56.55 96.65,56.55 96.83,56.73 v11(96.85,56.73) ; v11(112.9,42.96) 112.9,40.9 v11(112.94,40.86) ; v11(102.62,49.09) 102.62,49.58 102.8,49.76 102.8,50.69 103.15,51.04 103.15,53.89 102.64,54.4 102.64,55.51 102.29,55.86 101.17,55.86 100.65,56.38 v11(100.65,56.72) ; 75.11,23.11 75.11,23.63 v11(75.16,23.68) ; v11(123.92,40.59) 126.27,40.59 v11(126.29,40.57)
SA0_shift: length 195.4
  FC2 w0.05: v2(48.36,92.82) 48.5,92.68 54.28,92.68 54.78,92.18 54.78,91.51 55.27,91.02 57.03,91.02 58.72,89.33 58.72,85.33 59.4,84.65 U42.41 ; v2(25.87,17.51) 29.13,17.51 29.32,17.7 REF**#203.12 ; v2(8.93,51.76) 9.26,51.76 9.33,51.83 23.04,51.83 23.25,52.04 24.9,52.04 25.34,52.48 v2(26.32,52.48) ; v2(36.24,55.93) 36.89,55.93 37.4,56.44 38.6,56.44 ; v2(8.88,61.03) 7.49,62.42 v4(6.66,62.42) ; v2(32.85,55.4) 33.62,55.4 v2(33.63,55.41)
  FC1 w0.05: v2(36.24,55.93) 36.24,57.43 35.67,58 34.68,58 33.63,56.95 v2(33.63,55.41) ; v2(8.93,51.76) 8.93,55.38 9.02,55.47 9.02,55.75 8.88,55.89 v2(8.88,61.03) ; v2(48.36,92.82) 45.65,92.82 44.83,93.64 44.83,96.91 44.05,97.69 27.79,97.69 26.66,98.82 11,98.82 7.62,95.44 v1(7.62,93) ; v2(25.87,17.51) 25.87,17.95 25.8,18.02 25.8,20.2 25.54,20.46 25.54,25.22 25.7,25.38 25.7,32.55 26.7,33.55 26.7,37.29 27.51,38.1 27.51,39.77 27.27,40.01 27.27,44.75 26.68,45.34 26.68,48.16 26.8,48.28 26.8,51.27 26.32,51.75 v2(26.32,52.48) 26.32,53.35 26.69,53.72 28.61,53.72 29.08,54.19 31.64,54.19 v2(32.85,55.4)
  IC1 w0.05: v4(6.66,62.42) 5.38,62.42 2.29,65.51 2.29,70.79 1.27,71.81 1.27,91.47 2.8,93 v1(7.62,93)
